# Altium PCB CoinCraftA1.PcbDoc (part 2 of 7)
Units mm, origin at the board's own origin, x right, y up, seen from the top; angles counter-clockwise.
Board outline 90.25 x 131.5 mm, 4 copper layers (Top Layer, Mid-Top Layer, Mid-Bottom Layer, Bottom Layer); 807 components, 132 nets, 2141 pads, 3703 vias.
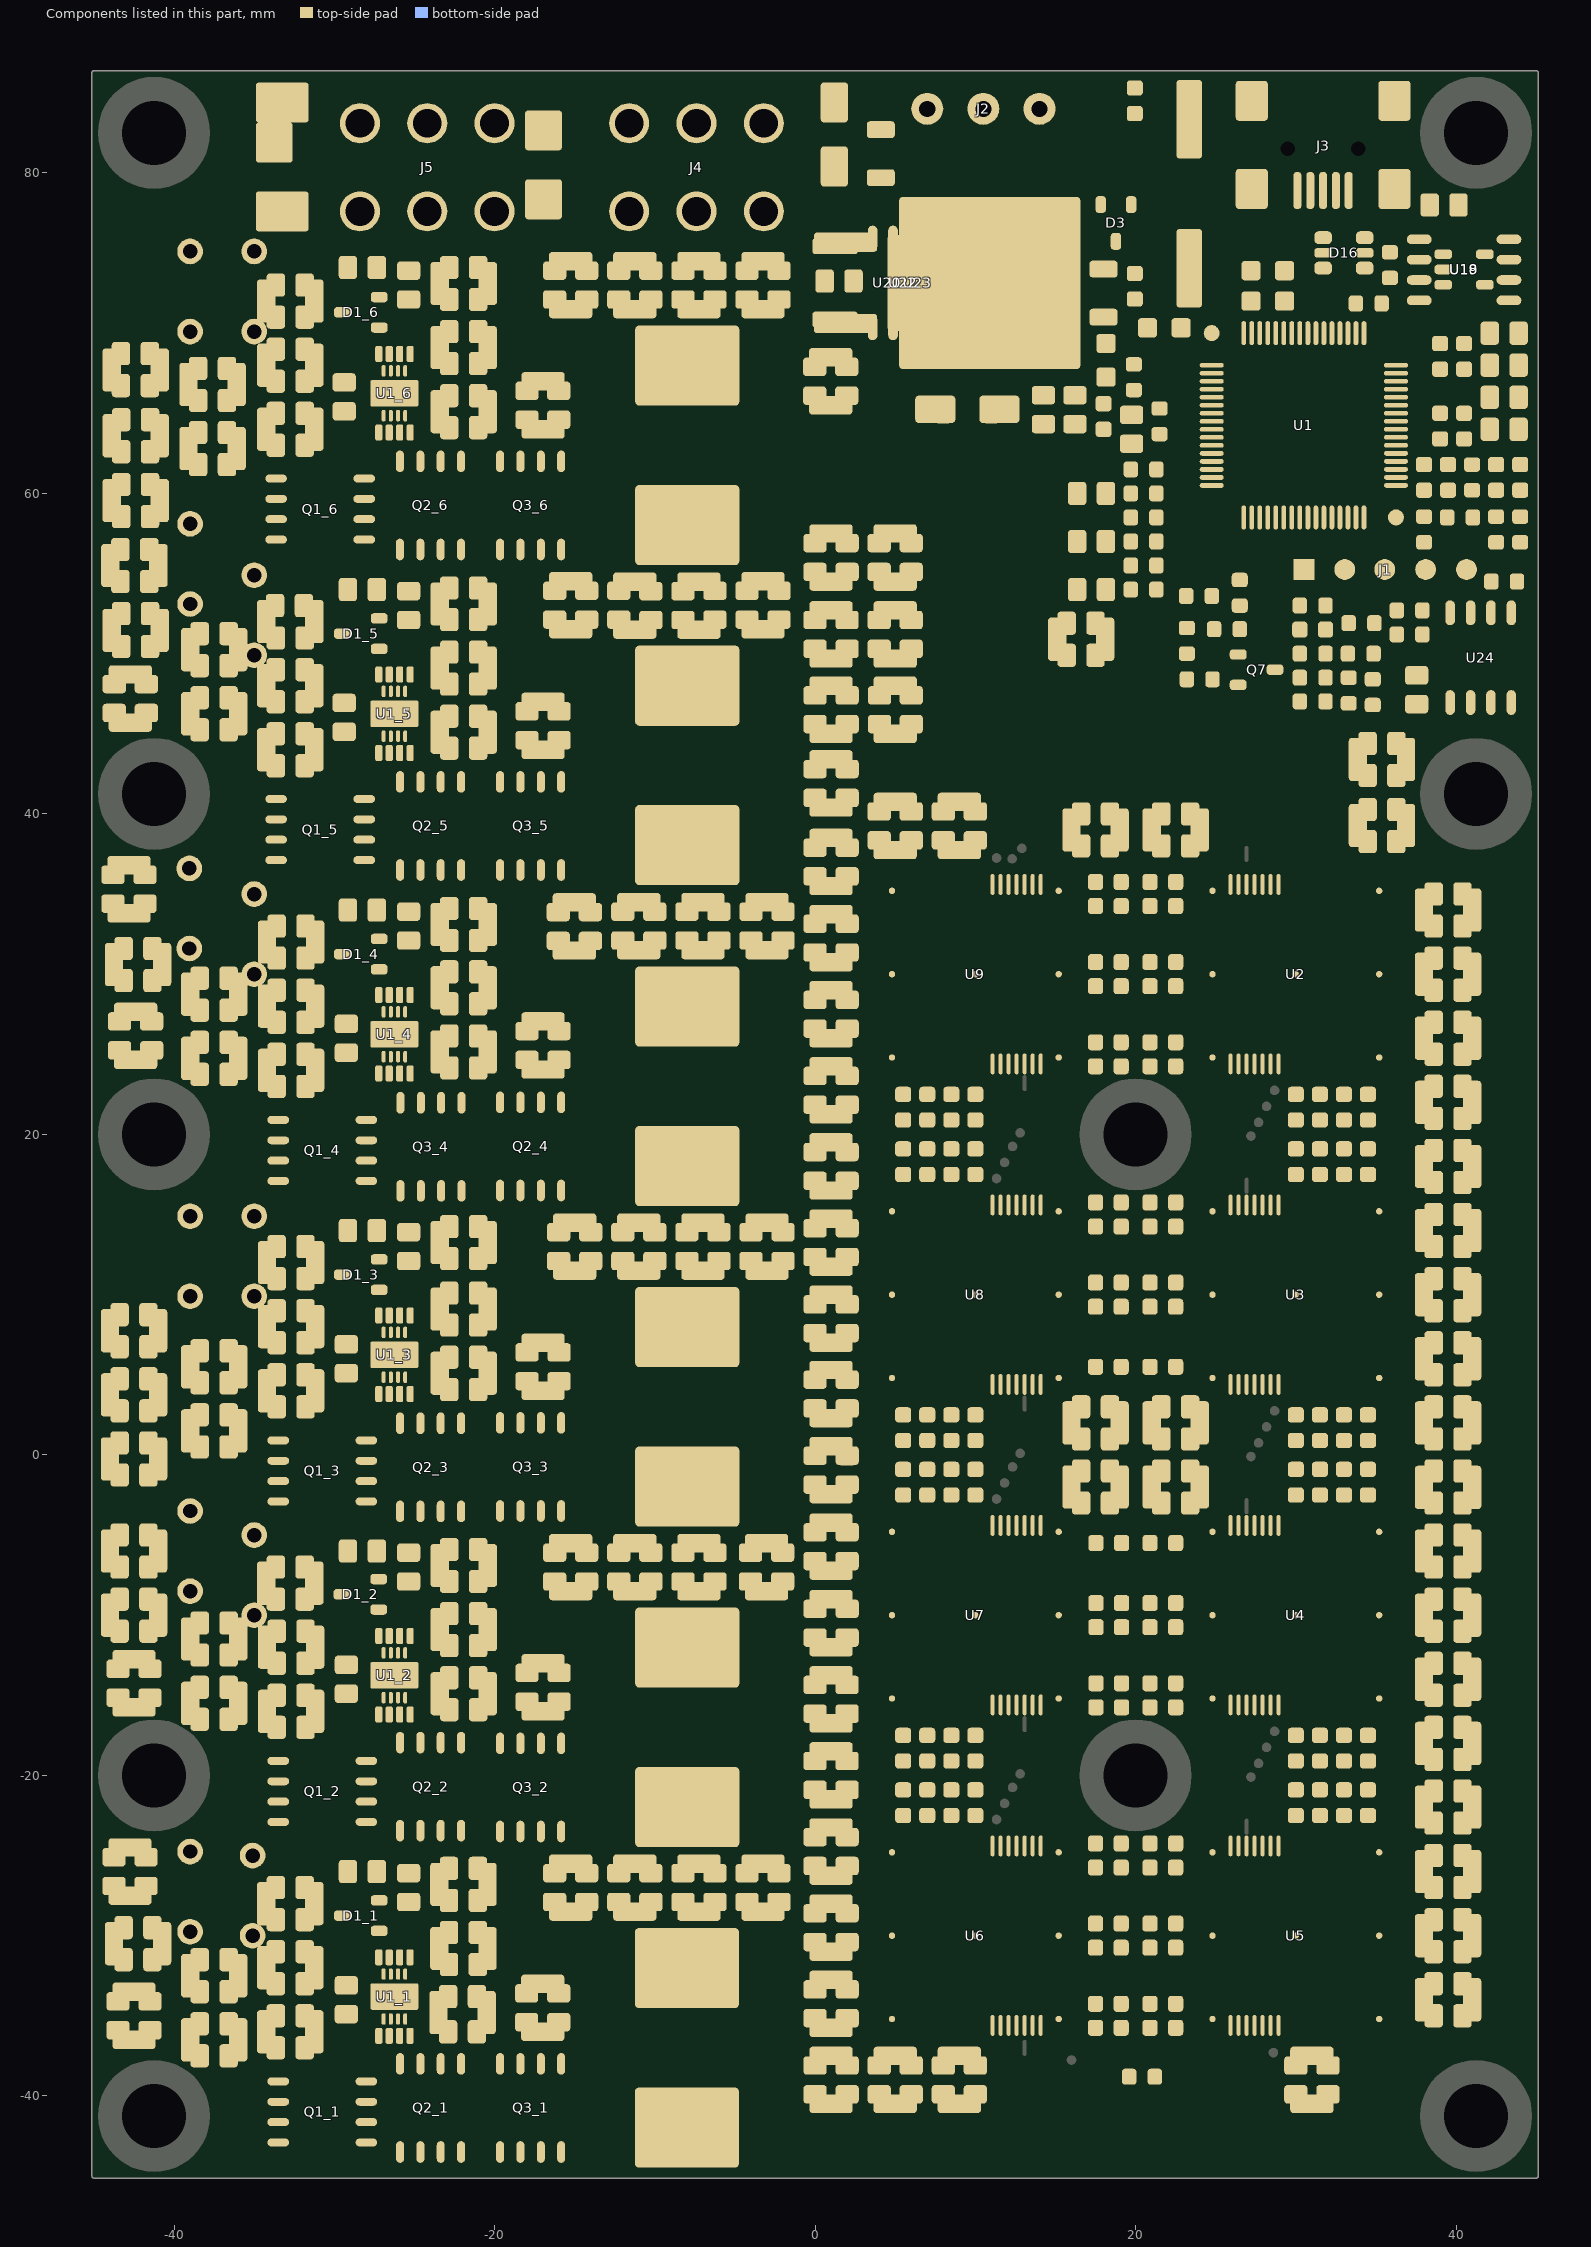
[diagram p4: the components of this part, seen from the top]

## Components (designator, comment, footprint, x,y, rotation, side; value= is the part's Value field where it differs from the comment) (continued)
U3 "COINCRAFTA1" "SMD_QFNCOINCRAFTX90- 21N - 0.5BSC" 30,10 r90 top
U4 "COINCRAFTA1" "SMD_QFNCOINCRAFTX90- 21N - 0.5BSC" 30,-10 r90 top
U5 "COINCRAFTA1" "SMD_QFNCOINCRAFTX90- 21N - 0.5BSC" 30,-30 r90 top
U6 "COINCRAFTA1" "SMD_QFNCOINCRAFTX90- 21N - 0.5BSC" 10,-30 r270 top
U7 "COINCRAFTA1" "SMD_QFNCOINCRAFTX90- 21N - 0.5BSC" 10,-10 r270 top
U8 "COINCRAFTA1" "SMD_QFNCOINCRAFTX90- 21N - 0.5BSC" 10,10 r270 top
U9 "COINCRAFTA1" "SMD_QFNCOINCRAFTX90- 21N - 0.5BSC" 10,30 r270 top
U18 "(OPT)BU33TD3WG-TR" "SMD_SOT26_SOT95P285X140-5N - DLV" 40.5,73.975 r0 top
U19 "BD33KA5WF" SMD_SOIC127P602X173-8N 40.5,73.95 r180 top
U20 "L78M05CDT-TR" SMD_TO229P991X239-4AN_DPAK 5.4,73.135 r0 top
U22 "(OPT) LM7805" SMD_SOIC127P602X173-8N 5.5,73.135 r90 top
U23 "(OPT) L7805CD2T-TR" SMD_TO254P1524X483-3_4N_D2PAK 8.25,73.135 r0 top
U24 "BD18KA5WF" SMD_SOIC127P602X173-8N 41.538,49.75 r90 top
Y1 "Q4.000 MHz HC-49SM SMD" SMD_HC49_XTAL1140X480X420N 23.35,78.7 r270 top

## Footprints (in the part's own frame and the unit in brackets; to place one, negate y for a bottom-side part, rotate by r counter-clockwise, add the part's x,y. Pads: shape width x height; smd on the part's side, far side on the other; paste and mask are expansions set on the pad)
PTH_CAPRR500W60L400T500H750A [mm]
  round 1.6 hole 0.9 mask+0.075: 1(-2.5,0) 2(2.5,0)
  silkscreen extent -2,-2.5 2,2.5, body extent -3,-2.5 3,2.5, height 7.5
PTH_CON_3.5mm_3PINs [mm]
  round 2 hole 1: 1(0,0) 2(3.5,0) 3(7,0)
PTH_CON_PCI-E [mm]
  round 2.5 hole 1.8 mask+0.075: 1(0,0) 2(0,5.5) 3(4.2,0) 4(4.2,5.5) 5(8.4,0) 6(8.4,5.5)
  body extent -3,-0.7 11.17,19.27, height 6.2
"SIP5 PGM TOP" [mm]
  rect 1.3x1.3 smd: 1(0,0)
  round 1.3 smd: 2(2.55,0) 3(5.05,0) 4(7.6,0) 5(10.15,0)
SMD_0603_CAPC1608X80N [mm]
  rrect42% 0.95x1 smd mask+0.075: 1(-0.8,0) 2(0.8,0)
  body extent -0.8,-0.4 0.8,0.4, height 0.8
SMD_0603_RESC1608X55N [mm]
  rrect44% 0.9x1 smd mask+0.075: 1(-0.8,0) 2(0.8,0)
  silkscreen extent 0,-0.4 0,0.4, body extent -0.8,-0.4 0.8,0.4, height 0.55
SMD_0805_CAPC2012X145N [mm]
  rrect35% 1.15x1.45 smd mask+0.075: 1(-0.9,0) 2(0.9,0)
  body extent -1,-0.6 1,0.6, height 1.45
SMD_0805_LED2012X100N [mm]
  rrect33% 1.2x1.2 smd mask+0.075: 1(-1.05,0) 2(1.05,0)
  silkscreen extent 0,-0.65 0,0.65
SMD_1206_RESC3216X180N [mm]
  rrect38% 1.05x1.75 smd mask+0.075: 1(-1.5,0) 2(1.5,0)
  silkscreen extent -0.65,-0.85 0.65,0.85, body extent -1.6,-0.71 1.6,0.71, height 1.71
SMD_1210_CAPC3225X279N [mm]
  rrect35% 1.15x2.7 smd mask+0.075: 1(-1.5,0) 2(1.5,0)
  silkscreen extent -0.6,-1.35 0.6,1.35, body extent -1.6,-1.25 1.6,1.25, height 2.79
SMD_CON-CVILUX-CU04-SCM15B0 [mm]
  rrect80% 0.5x2.3 smd mask+0.075: 1(-1.6,2.6) 2(-0.8,2.6) 3(0,2.6) 4(0.8,2.6) 5(1.6,2.6)
  rrect20% 2x2.5 smd mask+0.075: 6(4.45,2.5) 7(4.45,-3) 8(-4.45,-3) 9(-4.45,2.5)
  round 0.5 hole 0.9 unplated mask+0.275: 10(-2.2,0) 11(2.2,0)
  silkscreen extent -3.85,-4.7 3.85,4.15, body extent -4.95,-5.9 4.95,3.1, height 3.95
SMD_DO214AC_SMA [mm]
  rrect24% 2.5x1.7 smd mask+0.075: 1(-2,0) 2(2,0)
  silkscreen extent -3.46,-1.45 2.3,1.65, body extent -2.64,-1.39 2.64,1.4, height 2.29
SMD_DO214AC_SMB [mm]
  rrect17% 2.5x2.3 smd mask+0.075: 1(-2.15,0) 2(2.15,0)
  silkscreen extent -3.37,-2 2.3,2.01, body extent -2.8,-1.97 2.8,1.98, height 2.65
SMD_DO214AC_SMC [mm]
  rrect16% 2.5x3.3 smd mask+0.075: 1(-3.4,0) 2(3.4,0)
  silkscreen extent -4.47,-3.1 3.55,3.1, body extent -4.06,-3.11 4.07,3.11, height 2.62
SMD_HC49_XTAL1140X480X420N [mm]
  rrect25% 4.9x1.6 smd mask+0.075: 1(-4.65,0) 2(4.65,0)
  silkscreen extent -5.7,-2.35 5.7,2.35, body extent -6.5,-2.4 6.5,2.4, height 4.2
"SMD_INDM12501250X800A - Coilcraft SLC1480" [mm]
  rrect10% 5x6.5 smd mask+0.075: 1(-4.975,0) 2(4.975,0)
  silkscreen extent -6.25,-6.25 6.25,6.25, body extent -6.26,-6.25 6.26,6.25, height 8
"SMD_QFNCOINCRAFTX90- 21N - 0.5BSC" [mm] "CoinCraft A1"
  round 0.4 smd paste-0.2 mask+0.05: 1(-5.2,5.2) 9(-5.2,-5.2) 10(0,-5.2) 11(5.2,-5.2) 19(5.2,5.2) 20(0,5.2) 21(0,0)
  oval 1.3x0.25 smd paste+0 mask+0.05: 2(-5.6,4.075) 3(-5.6,3.575) 4(-5.6,3.075) 5(-5.6,2.575) 6(-5.6,2.075) 7(-5.6,1.575) 8(-5.6,1.075) 12(5.6,1.075) 13(5.6,1.575) 14(5.6,2.075) 15(5.6,2.575) 16(5.6,3.075) 17(5.6,3.575) 18(5.6,4.075)
  Top Layer region: -5.7,-4.8 -4.9,-4.8 -4.9,0.625 -5.7,0.625
  Top Layer region: -5.7,-5.7 -4.5,-5.7 -4.5,-4.8 -5.7,-4.8
  Top Layer region: 5.7,-4.8 4.9,-4.8 4.9,0.625 5.7,0.625
  Top Layer region: 5.7,-5.7 4.5,-5.7 4.5,-4.8 5.7,-4.8
  Top Layer region: -3.825,-5.7 3.825,-5.7 3.825,-4.8 -3.825,-4.8
  Top Layer region: 3.825,5.7 -3.825,5.7 -3.825,4.8 3.825,4.8
  Top Layer region: -4.3,4 -4,4.3 4.3,4.3 4.3,-4.3 -4.3,-4.3
  Top Layer region: -5.7,5.7 -4.525,5.7 -4.525,4.8 -5.7,4.8
  Top Layer region: -5.7,4.8 -4.9,4.8 -4.9,4.525 -5.7,4.525
  Top Layer region: 5.7,5.7 4.525,5.7 4.525,4.8 5.7,4.8
  Top Layer region: 5.7,4.8 4.9,4.8 4.9,4.525 5.7,4.525
  silkscreen extent -6,-3.55 6,4, body extent -6,-6.1 6,5.9, height 1.6
SMD_QFP50P1200X1200X120-64N [mm]
  oval 1.5x0.3 smd mask+0.05: 1(-5.75,3.75) 2(-5.75,3.25) 3(-5.75,2.75) 4(-5.75,2.25) 5(-5.75,1.75) 6(-5.75,1.25) 7(-5.75,0.75) 8(-5.75,0.25) 9(-5.75,-0.25) 10(-5.75,-0.75) 11(-5.75,-1.25) 12(-5.75,-1.75) 13(-5.75,-2.25) 14(-5.75,-2.75) 15(-5.75,-3.25) 16(-5.75,-3.75) 33(5.75,-3.75) 34(5.75,-3.25) 35(5.75,-2.75) 36(5.75,-2.25) 37(5.75,-1.75) 38(5.75,-1.25) 39(5.75,-0.75) 40(5.75,-0.25) 41(5.75,0.25) 42(5.75,0.75) 43(5.75,1.25) 44(5.75,1.75) 45(5.75,2.25) 46(5.75,2.75) 47(5.75,3.25) 48(5.75,3.75)
  oval 0.3x1.5 smd mask+0.05: 17(-3.75,-5.75) 18(-3.25,-5.75) 19(-2.75,-5.75) 20(-2.25,-5.75) 21(-1.75,-5.75) 22(-1.25,-5.75) 23(-0.75,-5.75) 24(-0.25,-5.75) 25(0.25,-5.75) 26(0.75,-5.75) 27(1.25,-5.75) 28(1.75,-5.75) 29(2.25,-5.75) 30(2.75,-5.75) 31(3.25,-5.75) 32(3.75,-5.75) 49(3.75,5.75) 50(3.25,5.75) 51(2.75,5.75) 52(2.25,5.75) 53(1.75,5.75) 54(1.25,5.75) 55(0.75,5.75) 56(0.25,5.75) 57(-0.25,5.75) 58(-0.75,5.75) 59(-1.25,5.75) 60(-1.75,5.75) 61(-2.25,5.75) 62(-2.75,5.75) 63(-3.25,5.75) 64(-3.75,5.75)
  round 1 smd paste-0.5 mask+0.5: 65(-5.75,-5.75) 66(5.75,5.75)
  Top Layer keep-out region: 6.75,5.75 6.674,6.133 6.457,6.457 6.133,6.674 5.75,6.75 5.75,6.75 5.367,6.674 5.043,6.457 4.826,6.133 4.75,5.75 4.75,5.75 4.826,5.367 5.043,5.043 5.367,4.826 5.75,4.75 5.75,4.75 6.133,4.826 6.457,5.043 6.674,5.367 6.75,5.75
  Top Layer keep-out region: -4.75,-5.75 -4.826,-5.367 -5.043,-5.043 -5.367,-4.826 -5.75,-4.75 -5.75,-4.75 -6.133,-4.826 -6.457,-5.043 -6.674,-5.367 -6.75,-5.75 -6.75,-5.75 -6.674,-6.133 -6.457,-6.457 -6.133,-6.674 -5.75,-6.75 -5.75,-6.75 -5.367,-6.674 -5.043,-6.457 -4.826,-6.133 -4.75,-5.75
  silkscreen extent -6.37,-4.65 4.65,4.65, body extent -6,-6 6,6, height 1.2
SMD_SOIC127P602X173-8N [mm]
  oval 1.55x0.6 smd mask+0.075: 1(-2.8,1.905) 2(-2.8,0.635) 3(-2.8,-0.635) 4(-2.8,-1.905) 5(2.8,-1.905) 6(2.8,-0.635) 7(2.8,0.635) 8(2.8,1.905)
  silkscreen extent -3.75,-2.5 1.55,2.85, body extent -3.01,-2.5 3.01,2.5, height 1.73
SMD_SON127P615X520X100-8N [mm]
  oval 1.35x0.5 smd mask+0.075: 1(-2.75,1.905) 2(-2.75,0.635) 3(-2.75,-0.635) 4(-2.75,-1.905) 5(2.75,-1.905) 6(2.75,-0.635) 7(2.75,0.635) 8(2.75,1.905)
  Top Layer region: 2.75,2.15 1.75,2.15 1.75,2.7 -1.1,2.7 -1.1,-2.7 1.75,-2.7 1.75,-2.15 2.75,-2.15
  silkscreen extent -3.65,-2.75 -1.4,2.75, body extent -2.98,-2.59 2.99,2.59, height 1
"SMD_SOP65P490X110-9N - DUAL" [mm]
  rrect50% 1x0.45 smd mask+0.05: 1(-2.45,0.975) 2(-2.45,0.325) 3(-2.45,-0.325) 4(-2.45,-0.975) 5(2.45,-0.975) 6(2.45,-0.325) 7(2.45,0.325) 8(2.45,0.975)
  rrect67% 0.7x0.25 smd mask+0.05: 1(-1.4,0.675) 2(-1.4,0.225) 3(-1.4,-0.225) 4(-1.4,-0.675) 5(1.4,-0.675) 6(1.4,-0.225) 7(1.4,0.225) 8(1.4,0.675)
  rrect40% 1.65x1.35 smd mask+0.075: 9(0,0)
  rrect13% 1.65x3 smd paste-2.1 mask+0.075: 9(0,0)
  silkscreen extent -3.15,-1.5 1.15,1.75, body extent -2.45,-1.5 2.45,1.5, height 0.92
SMD_SOT23_SOT95P240X120-3N [mm]
  rrect62% 1.05x0.65 smd mask+0.075: 1(-1.15,0.95) 2(-1.15,-0.95) 3(1.15,0)
  silkscreen extent -1.82,-1.4 0.3,1.62, body extent -1.2,-1.45 1.2,1.45, height 1.2
"SMD_SOT26_SOT95P285X140-5N - DLV" [mm]
  rrect67% 1.1x0.6 smd mask+0.075: 1(-1.3,0.95) 2(-1.3,0) 3(-1.3,-0.95) 4(1.3,-0.95) 5(1.3,0.95)
  silkscreen extent -2.05,-1.5 0.35,1.7, body extent -1.5,-1.5 1.5,1.5, height 1.2
SMD_SOT95P280X145-6N-W [mm]
  rrect67% 1.1x0.8 smd mask+0.075: 1(-1.3,0.95) 3(-1.3,-0.95) 4(1.3,-0.95) 6(1.3,0.95)
  rrect67% 1.1x0.6 smd mask+0.075: 2(-1.3,0) 5(1.3,0)
  silkscreen extent -2.05,-1.45 0.43,1.75, body extent -1.4,-1.45 1.4,1.45, height 1.45
SMD_TO229P991X239-4AN_DPAK [mm]
  rrect40% 2.85x1 smd mask+0.075: 1(-4.15,2.29) 3(-4.15,-2.29)
  rrect7% 6.45x6 smd paste-3.225 mask+0.075: 2(2.35,0)
  silkscreen extent -5.85,-3.3 -1.9,3.55
SMD_TO254P1524X483-3_4N_D2PAK [mm]
  rrect33% 3.95x1.2 smd mask+0.075: 1(-6.35,2.54) 3(-6.35,-2.54)
  rrect4% 11.3x10.75 smd paste-5.65 mask+0.075: 2(2.65,0)
  silkscreen extent -8.25,-5.2 -3.3,5.2, body extent -7.62,-5.08 7.62,5.08, height 4.97

## Part data
C1 C20-5 C20-6 C20_0 C21-5 C21-6 C21_0 C22-5 C22-6 C22_0 C23-5 C23-6 C23_0 C24-5 C24-6 C24_0 C25-5 C25-6 C25_0 C26-5 C26-6 C26_0 C27-5 C27-6 C27_0 C28_0 C51_1 C51_2 C51_3 C51_4 C52_1 C52_2 C52_3 C52_4 C53_1 C53_2 C53_3 C53_4 C54_1 C54_2 C54_3 C54_4 C55_1 C55_2 C55_3 C55_4 C56_1 C56_2 C56_3 C56_4 C57_1 C57_2 C57_3 C57_4 C58_1 C58_2 C58_3 C58_4 C61_1 C61_2 C61_3 C61_4 C61_5 C61_6 C62_1 C62_2 C62_3 C62_4 C62_5 C62_6 C63_1 C63_2 C63_3 C63_4 C63_5 C63_6 C64_1 C64_2 C64_3 C64_4 C64_5 C64_6 C65_1 C65_2 C65_3 C65_4 C65_5 C65_6 C66_1 C66_2 C66_3 C66_4 C66_5 C66_6 C67_1 C67_2 C67_3 C67_4 C67_5 C67_6 C68_1 C68_2 C68_3 C68_4 C68_5 C68_6 C358 C359 C360 C364 C366 C367 C371 C374 C375 C376 C377 C378 C379 C383 C387 C503 C504 C505 C506 C507 C508 C509 C510 C511 C512 C513 C514 C515 C516 C517 C518 C519 C520 C521 C522 C523 C524 C525 C526 C528 C529 C530 C531 C532 C533 C534 C536: library part "Cap Semi", "CL32A227MQVNNNE 220UF 6.3V 20% X5R 1210"
C1-1MO C1-2MO C1-3MO C1-4MO C1-5 C1-5MO C1-6 C1-6MO C1-7MO C1-8MO C1_0 C1_1 C1_2 C1_3 C1_4 C1_5 C1_6 C2-1MO C2-2MO C2-3MO C2-4MO C2-5 C2-5MO C2-6 C2-6MO C2-7MO C2-8MO C2_0 C2_1 C2_2 C2_3 C2_4 C2_5 C2_6 C3-1MO C3-2MO C3-3MO C3-4MO C3-5 C3-5MO C3-6 C3-6MO C3-7MO C3-8MO C3_0 C3_1 C3_2 C3_3 C3_4 C3_5 C3_6 C4-1MO C4-2MO C4-3MO C4-4MO C4-5 C4-5MO C4-6 C4-6MO C4-7MO C4-8MO C4_0 C5-1MO C5-2MO C5-3MO C5-4MO C5-5 C5-5MO C5-6 C5-6MO C5-7MO C5-8MO C5_0 C6-1MO C6-2MO C6-3MO C6-4MO C6-5 C6-5MO C6-6 C6-6MO C6-7MO C6-8MO C6_0 C7-1MO C7-2MO C7-3MO C7-4MO C7-5 C7-5MO C7-6 C7-6MO C7-7MO C7-8MO C7_0 C8-1MO C8-2MO C8-3MO C8-4MO C8-5 C8-5MO C8-6 C8-6MO C8-7MO C8-8MO C8_0 C9-1MO C9-2MO C9-3MO C9-4MO C9-5 C9-5MO C9-6 C9-6MO C9-7MO C9-8MO C9_0 C10-1MO C10-2MO C10-3MO C10-4MO C10-5 C10-5MO C10-6 C10-6MO C10-7MO C10-8MO C10_0 C11-1MO C11-2MO C11-3MO C11-5 C11-5MO C11-6 C11-8MO C11_0 C11_1 C11_2 C11_3 C11_4 C12-1MO C12-2MO C12-3MO C12-5 C12-5MO C12-6 C12-8MO C12_0 C12_1 C12_2 C12_3 C12_4 C13-5 C13-5MO C13-6 C13-8MO C13_0 C13_1 C13_2 C13_3 C13_4 C14-5 C14-5MO C14-6 C14-8MO C14_0 C14_1 C14_2 C14_3 C14_4 C15-5 C15-6 C15-8MO C15_0 C15_1 C15_2 C15_3 C15_4 C16-5 C16-6 C16-8MO C16_0 C16_1 C16_2 C16_3 C16_4 C17 C17_0 C17_1 C17_2 C17_3 C17_4 C18_0 C18_1 C18_2 C18_3 C18_4 C19_1 C19_2 C19_3 C19_4 C20_1 C20_2 C20_3 C20_4 C21_1 C21_2 C21_3 C21_4 C22_1 C22_2 C22_3 C22_4 C23_1 C23_2 C23_3 C23_4 C24_1 C24_3 C24_4 C25_1 C25_3 C25_4 C26_1 C26_2 C26_3 C26_4 C31_1 C31_2 C31_3 C31_4 C32_1 C32_2 C32_3 C32_4 C33_1 C33_2 C33_3 C33_4 C34 C34_1 C34_2 C34_3 C34_4 C35_1 C35_2 C35_3 C35_4 C36_1 C36_2 C36_3 C36_4 C37_1 C37_2 C37_3 C37_4 C38_1 C38_2 C38_3 C38_4 C39_1 C39_2 C39_3 C39_4 C40_1 C40_2 C40_3 C40_4 C40_5 C40_6 C41_1 C41_2 C41_3 C41_4 C41_5 C41_6 C42_1 C42_2 C42_3 C42_4 C42_5 C42_6 C43 C43_1 C43_2 C43_3 C43_4 C43_5 C43_6 C44 C44_1 C44_2 C44_3 C44_4 C44_5 C44_6 C45_1 C45_2 C45_3 C45_4 C45_5 C45_6 C46_1 C46_2 C46_3 C46_4 C46_5 C46_6 C47_5 C47_6 C48_5 C48_6 C49_5 C49_6 C50_5 C50_6 C51_5 C51_6 C52_5 C52_6 C53_5 C53_6 C54_5 C54_6 C55_5 C55_6 C63 C72 C73 C74 C75 C76 C81_2 C82_2 C85 C86 C187 C206 C211 C229 C231 C233 C234 C237 C248 C249 C250 C251 C325: library part CAP, "Capacitor"
C1-1SO C1-2S C1-2SO C1-3S C1-3SO C1-4S C1-4SO C1-5S C1-5SO C1-6S C1-6SO C1-7S C1-7SO C1-8S C1-8SO C1_1S C2-1S C2-1SO C2-2S C2-2SO C2-3S C2-3SO C2-4S C2-4SO C2-5S C2-5SO C2-6S C2-6SO C2-7S C2-7SO C2-8S C2-8SO C3-1S C3-1SO C3-2S C3-2SO C3-3S C3-3SO C3-4S C3-4SO C3-5S C3-5SO C3-6S C3-6SO C3-7S C3-7SO C3-8S C3-8SO C4-1S C4-1SO C4-2S C4-2SO C4-3S C4-3SO C4-4S C4-4SO C4-5S C4-5SO C4-6S C4-6SO C4-7S C4-7SO C4-8S C4-8SO C5-1S C5-1SO C5-2S C5-2SO C5-3S C5-3SO C5-4S C5-4SO C5-5S C5-5SO C5-6S C5-6SO C5-7S C5-7SO C5-8S C5-8SO C6-1S C6-1SO C6-2S C6-2SO C6-3S C6-3SO C6-4S C6-4SO C6-5S C6-5SO C6-6S C6-6SO C6-7S C6-7SO C6-8S C6-8SO C7-1S C7-1SO C7-2S C7-2SO C7-3S C7-3SO C7-4S C7-4SO C7-5S C7-5SO C7-6S C7-6SO C7-7S C7-7SO C7-8S C7-8SO C8-1S C8-1SO C8-2S C8-2SO C8-3S C8-3SO C8-4S C8-4SO C8-5S C8-5SO C8-6S C8-6SO C8-7S C8-7SO C8-8S C8-8SO C9-1S C9-1SO C9-2S C9-2SO C9-3S C9-3SO C9-4S C9-4SO C9-5S C9-5SO C9-6S C9-6SO C9-7S C9-7SO C9-8S C9-8SO C10-1S C10-1SO C10-2S C10-2SO C10-3S C10-3SO C10-4S C10-4SO C10-5S C10-5SO C10-6S C10-6SO C10-7S C10-7SO C10-8S C10-8SO C11-1SO C11-2S C11-2SO C11-3S C11-3SO C11-5SO C11-6S C11-7S C11-8SO C12-1SO C12-2S C12-2SO C12-3S C12-3SO C12-5SO C12-6S C12-7S C12-8SO C13-2S C13-3S C13-5SO C13-6S C13-7S C13-8SO C14-5SO C14-8SO C15-8SO C16-8SO: library part "Cap Semi", "Capacitor (Semiconductor SIM Model)"
D1_1 D1_2 D1_3 D1_4 D1_5 D1_6 D3: library part D_DUAL_A1A2CC3
D4 D5 D6 D7: library part LED_2
D8 D9 D14: library part D_TVS_UNI, "Еднопосочен трансил, 600W, UBRmin13.3V@1mA"
D11 D12 D13: library part D_STKY
D16: library part D_TVS_QUAD_C1AA2AA5C3C4C6, "4 IO lines TVS"
F1 F2 F3 F4 F5 F6 F7 F8 F9 F10 F11 F12: library part FUSE
J1: library part CON5, "Connector"
J3: library part CON_USB_MINI_1
J4 J5: library part CON_PCI-E, "4.20mm Male Dual Row Angled Header WR-MPC4"
L1_1 L1_2 L1_3 L1_4 L1_5 L1_6: library part L
Q1_1 Q1_2 Q1_3 Q1_4 Q1_5 Q1_6 Q2_1 Q2_2 Q2_3 Q2_4 Q2_5 Q2_6 Q3_1 Q3_2 Q3_3 Q3_4 Q3_5 Q3_6: library part MOS_N_D1_S1S2S3G4D5D6D7D8
Q7: library part BJT_NPN_B1E2C3
R1 R2 R3 R4 R5 R6 R7 R8 R9 R10 R11 R12 R13 R14 R15 R16 R17 R18 R19 R20 R21 R22 R23 R31 R32 R33 R34 R35 R40 R43 R47 R57 R59 R60 R61: library part Res3, "Resistor"
U1_1 U1_2 U1_3 U1_4 U1_5 U1_6: library part DRVFET_LTC4442, "Mosfet 12V Dual Bootstrapped PWM Sync Buck Optimised"
U2 U3 U4 U5 U6 U7 U8 U9: "CoinCraft SHA256"
U18: library part "VOLTREG LDO"
U19 U22 U24: library part IC_LM2931AD-5.0R2G_SO-8
U20 U23: library part IC_Vout1GND2Vin3
Y1: library part CRYSTAL, "Crystal"

## Free pads (board coordinates)
  round 7 / inner round 4.5 / far side round 7 hole 4: 0(-41.25,-41.25) 0(-41.25,-20) 0(-41.25,20) 0(-41.25,41.25) 0(-41.25,82.5) 0(20,-20) 0(20,20) 0(41.25,-41.25) 0(41.25,41.25) 0(41.25,82.5)
  round 0.6 smd: 0(11.325,-22.75) 0(11.325,-2.75) 0(11.325,17.25) 0(11.325,37.25) 0(11.825,-21.75) 0(11.825,-1.75) 0(11.825,18.25) 0(12.3,37.2) 0(12.325,-20.75) 0(12.325,-0.75) 0(12.325,19.25) 0(12.8,-19.9) 0(12.8,0.1) 0(12.8,20.1) 0(12.9,37.85) 0(16,-37.761) 0(27.2,-20.1) 0(27.2,-0.1) 0(27.2,19.9) 0(27.675,-19.25) 0(27.675,0.75) 0(27.675,20.75) 0(28.175,-18.25) 0(28.175,1.75) 0(28.175,21.75) 0(28.6,-37.3) 0(28.675,-17.25) 0(28.675,2.75) 0(28.675,22.75)
  oval 0.25x1 smd paste+0 mask+0.05: 0(13.075,-37) 0(13.075,-16.8) 0(13.075,3.2) 0(13.075,23.2) 0(26.925,-23.2) 0(26.925,-3.2) 0(26.925,16.8) 0(26.925,37.5)
  oval 0.2x1 smd paste+0 mask+0.05: 0(26.925,37.5)
  round 0.5 smd mask+0: 1(-23.75,-34.8) 1(-23.694,-30.8) 1(-23.694,-26.8)

## Via types
v1: diameter 0.6, hole 0.3, Top Layer to Bottom Layer, tented both sides, 3703 vias